# Allegro board C000PD020-3399PRO-DMEB-A-A01.brd (continued)
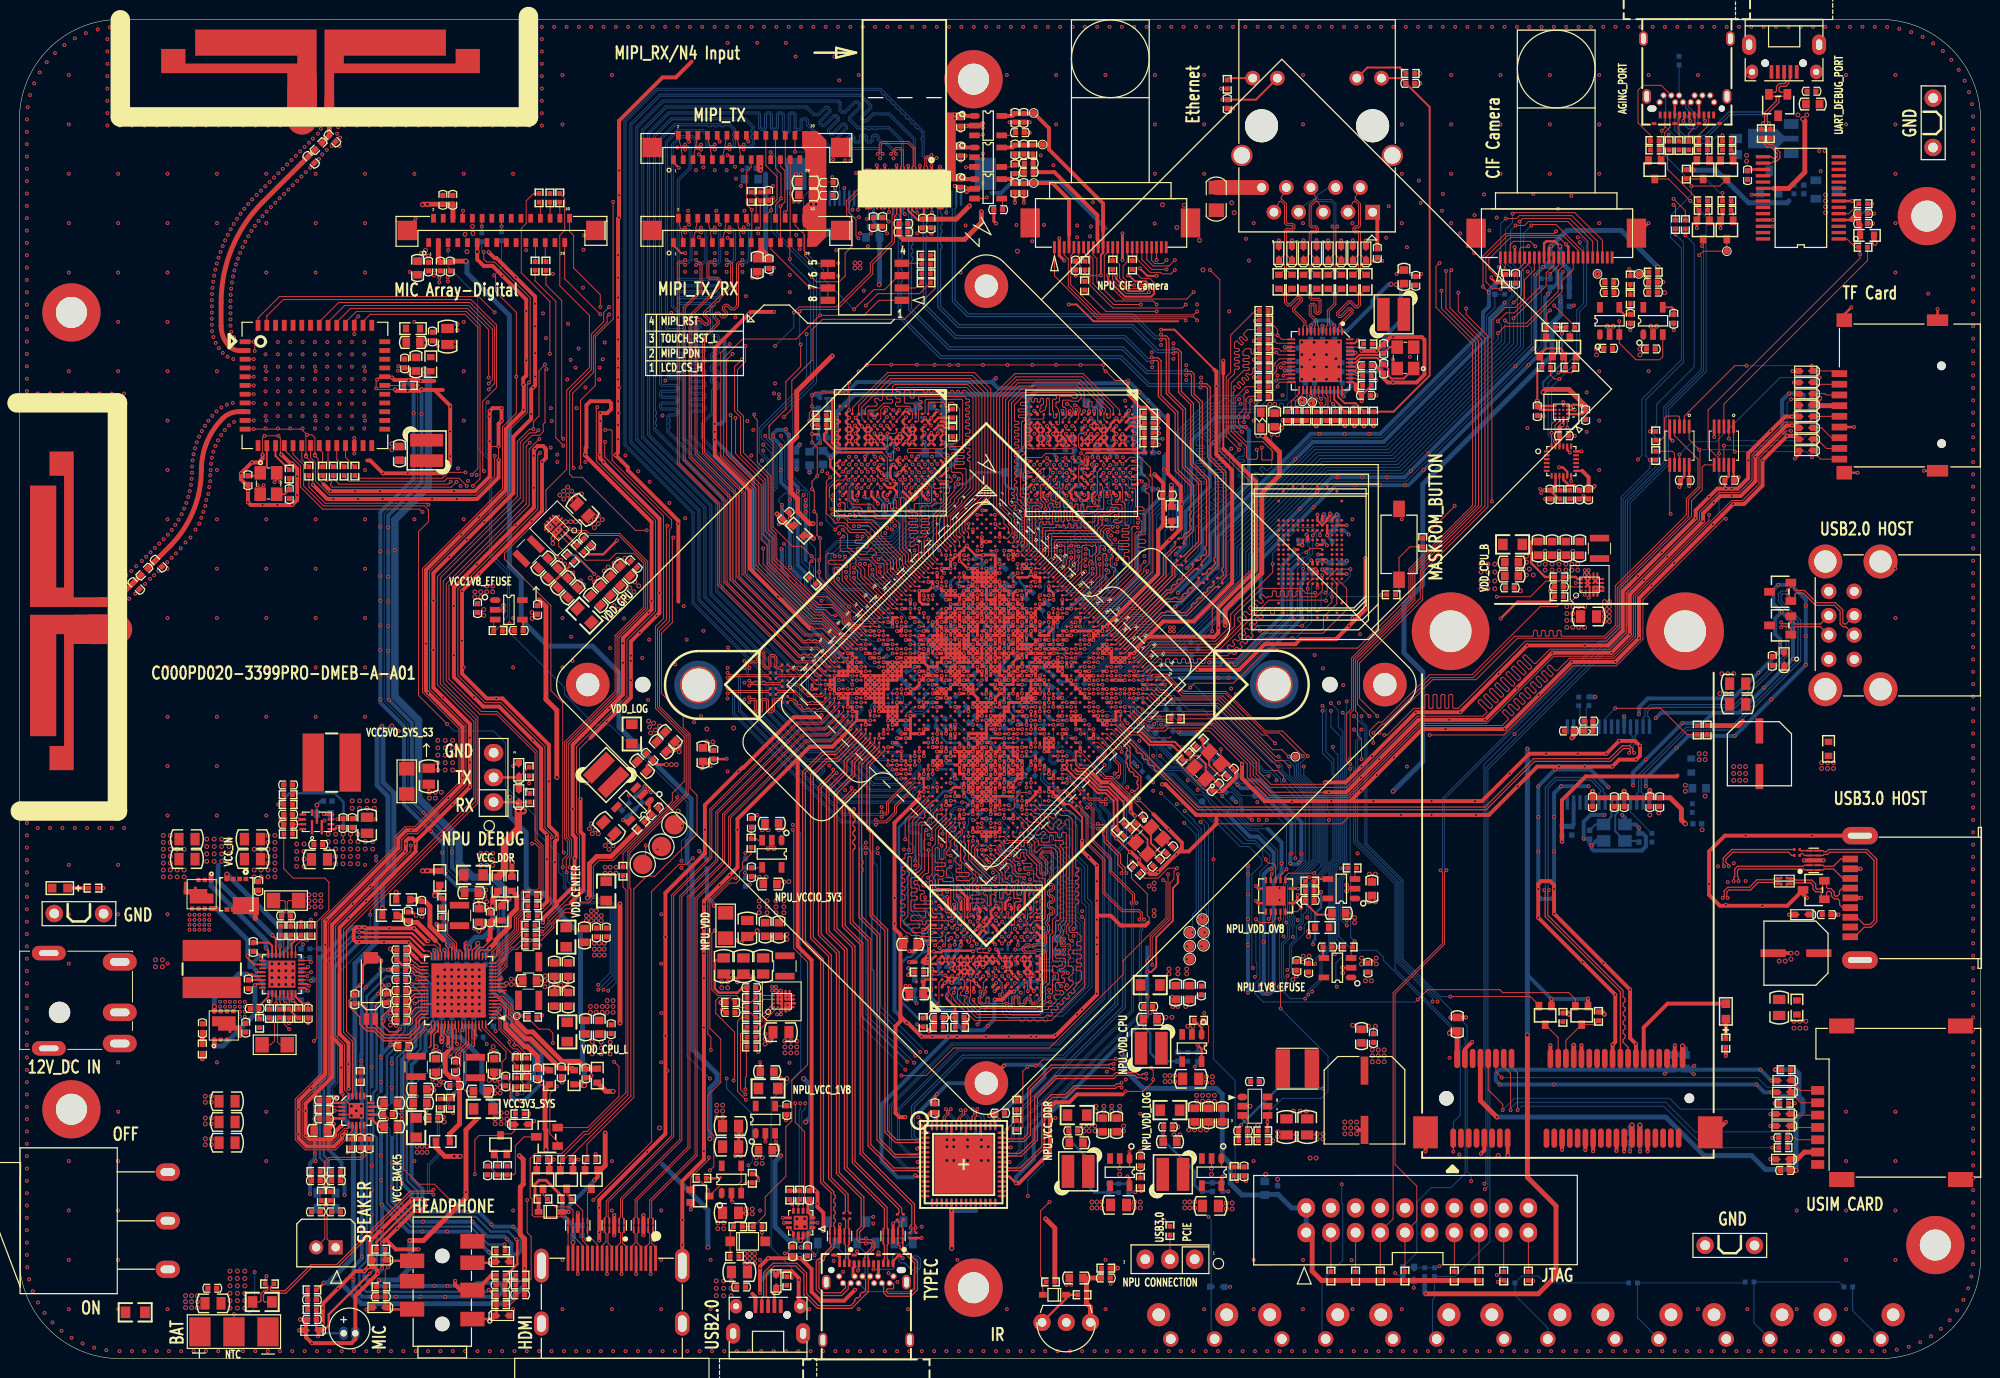
[diagram p0: board, top side]
## Copper pours and planes (outline as drawn; the poured copper is in the pictures) (continued)
N81282264 on TOP: 25.73,30.85 25.32,30.44 21.06,30.44 20.45,31.05 20.45,33.18 20.35,33.28 19.84,33.28 19.74,33.39 19.74,33.79 19.84,33.89 23.8,33.89 24.21,34.3 25.12,34.3 25.73,33.69
N81282310 on TOP: 20.85,48.32 20.85,45.78 21.16,45.48 26.04,45.48 26.85,46.29 26.85,48.12 26.44,48.52 21.06,48.52
N81282388 on TOP: 25.43,38.16 25.43,38.06 24.41,37.04 19.84,37.04 19.43,36.64 19.43,35.42 19.63,35.22 22.38,35.22 22.48,35.11 22.48,34.3 22.38,34.2 16.99,34.2 16.48,34.71 16.48,39.08 16.79,39.38 22.68,39.38 22.99,39.08 22.99,38.57 23.19,38.36 23.8,38.36 24,38.16 24.51,38.16 24.71,38.36 25.22,38.36
N81282514 on TOP: 17.3,43.75 25.22,43.75 26.14,42.84 26.14,42.43 26.04,42.33 25.93,42.33 25.73,42.53 23.7,42.53 23.09,41.92 23.09,41.11 22.78,40.8 16.18,40.8 15.47,41.51 15.47,47.51 15.77,47.81 19.84,47.81 20.04,47.61 20.04,46.9 19.94,46.8 17.5,46.8 17.09,46.39 17.09,43.95
N81283562 on TOP: 15.29,6.36 15.29,4.33 14.78,3.82 12.62,3.82 12.37,4.07 12.37,9.92 13.08,10.63 16.59,10.63 17.07,10.15 17.07,8.14
N81410237 on TOP: 77.85,39.69 77.85,38.57 78.77,37.65 79.27,37.65 79.48,37.45 79.48,36.94 79.58,36.84 80.39,36.84 80.49,36.94 80.49,39.48 80.19,39.79 77.95,39.79
N81411259 on TOP: 57.94,60.31 57.94,60.11 58.85,59.19 58.95,59.19 61.19,61.43 61.39,61.43 61.8,61.02 62.61,61.02 62.92,60.72 63.42,60.72 64.95,62.24 64.95,62.34 63.53,63.76 61.39,63.76
N81411274 on TOP: 59.46,58.58 60.38,57.67 60.78,57.67 61.39,58.28 62.81,58.28 63.02,58.08 63.22,58.08 64.03,58.89 64.03,59.29 62.41,60.92 61.8,60.92

Small or netless copper shapes (teardrops, artwork), in the pictures only: 1 on BOTTOM

## Text on the board
Ref Des/Silkscreen Bottom: VOL+/RECOVERY | EDP | PWRON | RESET | VOL | HOME | MENU | ESC
User.Comments: CR_3_1 | CR_UNNAMED_1
Ref Des/Silkscreen Top: NTC | VCC5V0_SYS_S3 | VCC1V8_EFUSE | VCC_DDR | VCC3V3_SYS | VDD_CPU_L | VDD_LOG | 4 | 3 | 2 | 1 | MIPI_RST | TOUCH_RST_L | MIPI_PDN | LCD_CS_H | NPU_VCCIO_3V3 | NPU_VCC_1V8 | NPU CIF Camera | NPU CONNECTION | NPU_VDD_0V8 | NPU_1V8_EFUSE | VDD_GPU | VCC_IN | VCC_BACK5 | VDD_CENTER | NPU_VDD | 5 | 6 | 7 | 8 | NPU_VCC_DDR | NPU_VDD_CPU | NPU_VDD_LOG | USB3.0 | PCIE | VDD_CPU_B | AGING_PORT | UART_DEBUG_PORT | 12V_DC IN | ON | OFF | GND | C000PD020-3399PRO-DMEB-A-A01 | MIC Array-Digital | HEADPHONE | NPU DEBUG | TX | RX | MIPI_RX/N4 Input | MIPI_TX/RX | MIPI_TX | IR | JTAG | USIM CARD | USB2.0 HOST | USB3.0 HOST | TF Card | BAT | SPEAKER | MIC | HDMI | USB2.0 | TYPEC | Ethernet | MASKROM_BUTTON | CIF Camera
COMPVAL_TYPE_BOTTOM: FIGURE | SIZE | 7.9 | 11.8 | 15.7 | 25.6 | 26.0 | 33.5 | 35.04 | 35.43 | 36.22 | 39.37 | 39.4 | 40.2 | 51.18 | 66.93 | 90.55 | 94.49 | 125.98 | 133.9 | 169.29 | 31.5 | 35.4 | 59.1 | 63.0 | 86.6 | 133.86 | 43.0x19.0 | 43.3x25.6 | 59.1x31.5 | 66.93x35.43 | 78.7x23.6 | 78.7x31.5 | 98.4x23.6 | 106.3x35.43 | 37.0x25.0 | DRILL CHART: TOP to BOTTOM | ALL UNITS ARE IN MILS | PLATED | NON-PLATED | QTY | 4456 | 942 | 24 | 4 | 2 | 3 | 14 | 8 | 6 | 20 | 1
